# Altium PCB 拼板.PcbDoc (part 2 of 2)
Units mm, origin at the board's own origin, x right, y up, seen from the top; angles counter-clockwise.
Board outline 100 x 100 mm, 2 copper layers (Top Layer, Bottom Layer); 133 components, 40 nets, 713 pads, 79 vias.
Unrouted connection lines stored in the file: 32.
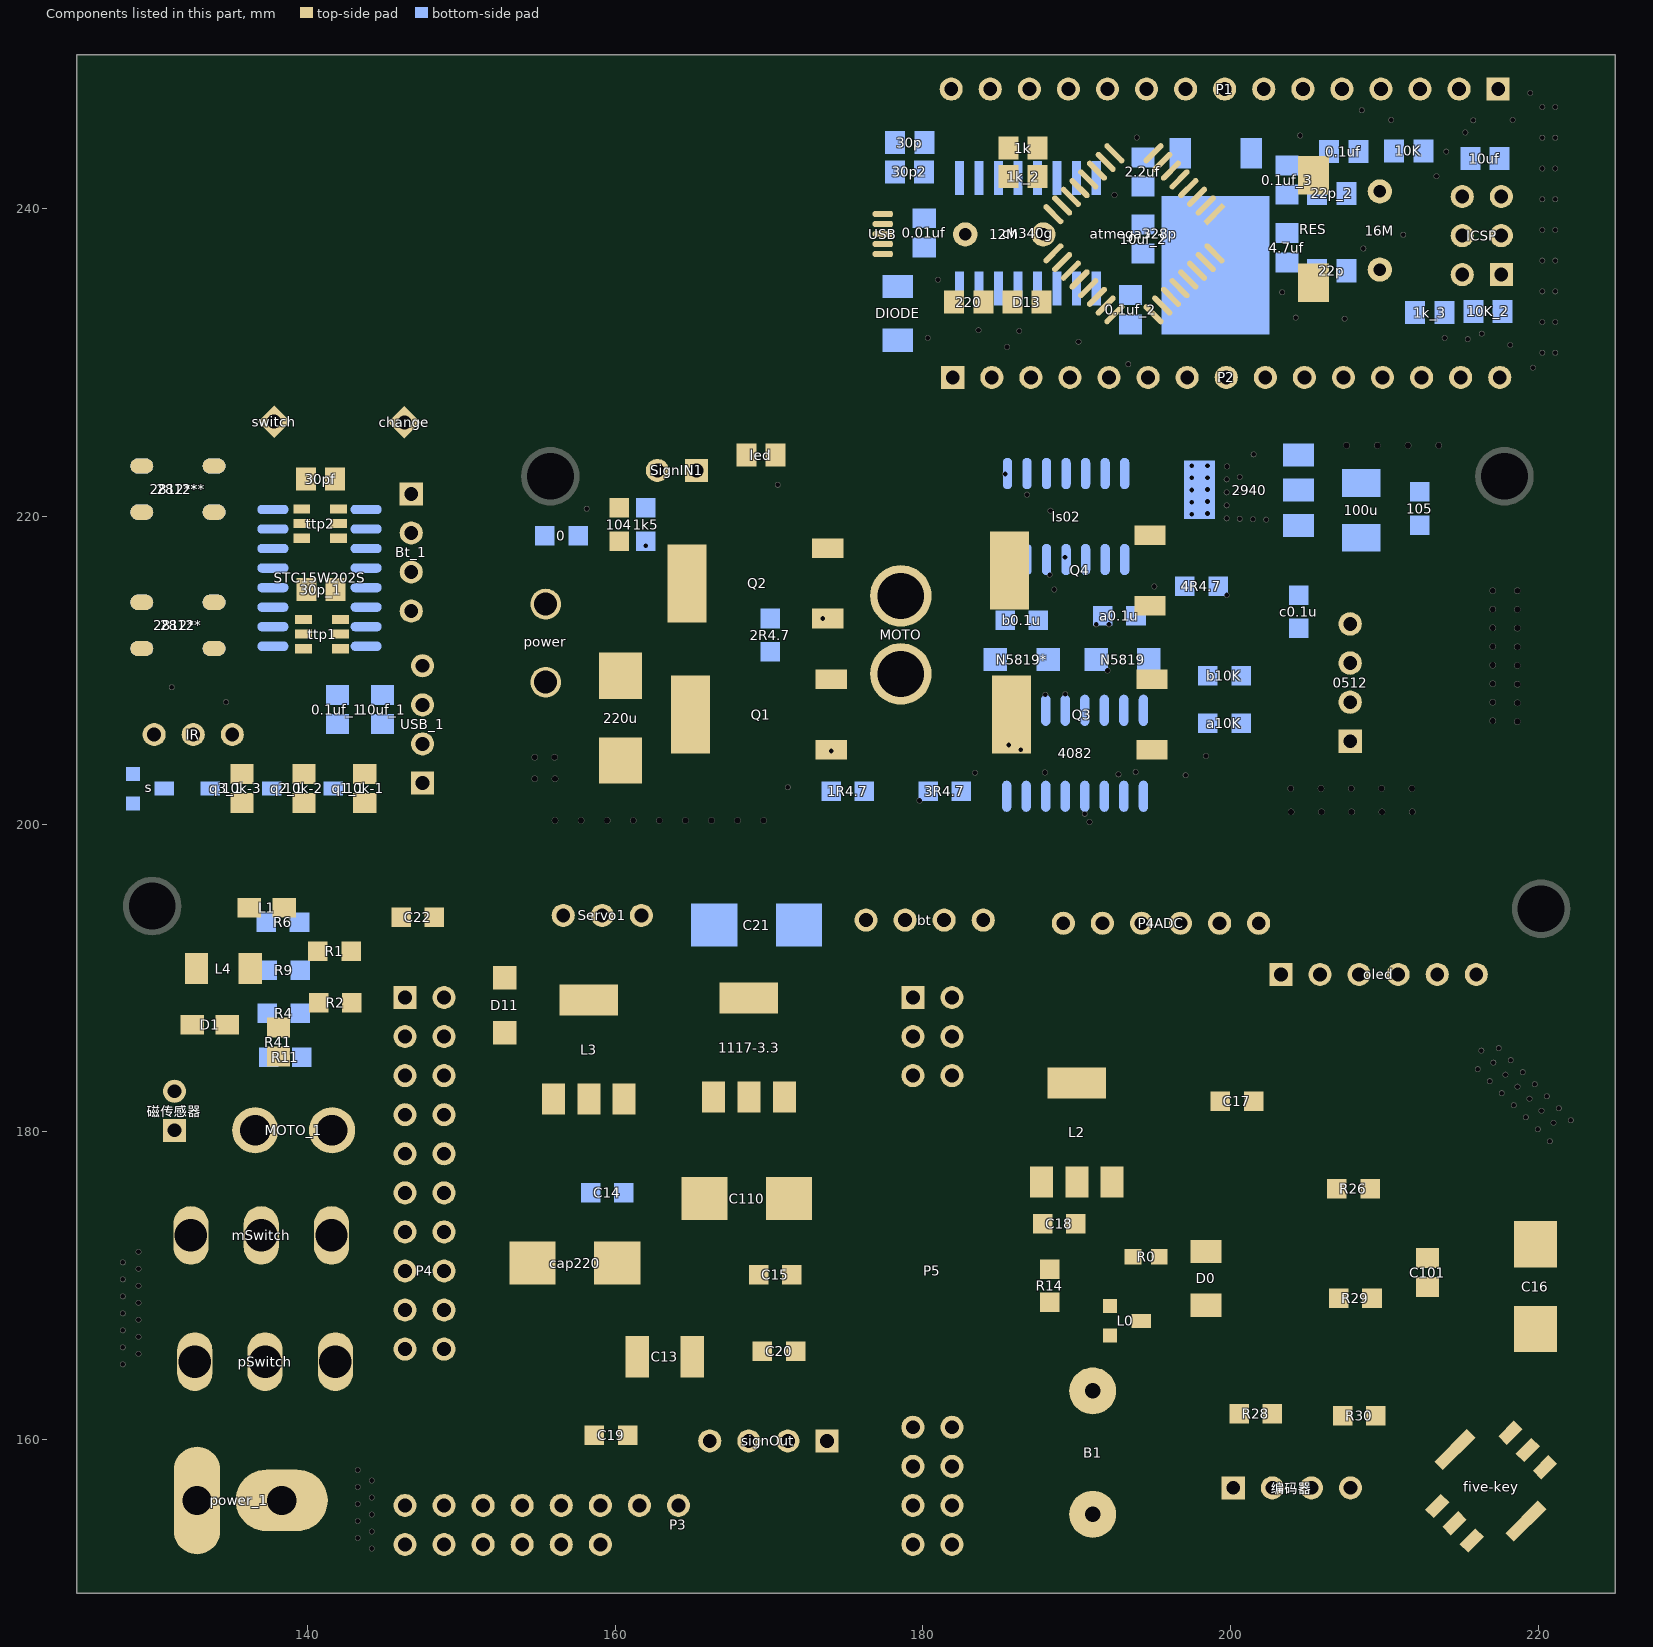
[diagram p2: the components of this part, seen from the top]

## Via types
v1: diameter 0.381, hole 0.305, Top Layer to Bottom Layer, 68 vias
v2: diameter 0.762, hole 0.508, Top Layer to Bottom Layer, 5 vias
v3: diameter 0.762, hole 0.381, Top Layer to Bottom Layer, 3 vias
v4: diameter 0.508, hole 0.305, Top Layer to Bottom Layer, 1 vias
v5: diameter 1.27, hole 0.635, Top Layer to Bottom Layer, 1 vias
v6: diameter 1.27, hole 0.508, Top Layer to Bottom Layer, 1 vias

## Nets (pads, with @x,y where several pads share a name; then routed paths per layer and width w, separated by ;. In a path a pad name is that pad's centre, name@x,y a point inside that pad or via, vN(x,y) a via of type N, cw(c..) or ccw(c..) an arc to the next point about the centre after c; other vN are vias at no path point) (continued)
copper on no net: | length 3506.9
  Top Layer w0.178: v1(135.839,222.402) 131.14,222.402 131.115,222.428 ; 139.745,211.394 140.477,211.394 ; 142.018,219.532 141.133,219.532 140.437,218.836 ; 142.145,212.344 141.427,212.344 140.564,211.48 ; 147.472,202.667 146.167,201.361 143.713,201.361 139.751,201.361 139.751,201.371 135.738,201.371 135.738,201.361 133.665,201.361 132.563,202.463 132.563,205.816 131.114,204.368 129.236,204.368 128.092,205.511 128.092,214.147 128.41,214.465 ; 128.41,214.465 129.217,214.408 128.467,214.408 128.41,214.465 ; 128.41,214.465 127.711,215.163 127.711,222.993 127.991,223.273 129.217,223.273 130.27,223.273 131.115,222.428 ; 131.115,222.428 139.893,222.428 140.437,222.428 140.437,218.836 ; 140.437,218.836 140.183,218.582 139.618,218.582 139.618,217.068 139.918,216.768 139.918,215.24 139.918,214.401 140.564,213.756 140.564,211.48 ; 140.477,211.394 140.564,211.394 140.564,211.48 ; 140.477,211.394 140.564,211.48
  Top Layer w0.254: 129.217,211.408 129.235,211.408 129.235,210.82 131.166,208.89 ; 129.217,220.273 129.464,220.273 129.464,218.516 131.216,216.764 v1(131.216,210.541) ; 134.696,207.924 142.418,207.924 v1(144.628,210.134) ; 135.738,203.261 136.815,203.261 v1(136.83,203.276) ; 137.82,226.162 138.633,226.162 141.793,223.002 141.793,222.428 141.793,220.482 142.018,220.482 ; v1(138.836,210.947) 138.994,210.789 140.868,210.789 141.473,211.394 142.145,211.394 ; 139.751,203.261 v1(139.751,206.223) ; v1(140.208,217.566) 141.224,218.582 142.018,218.582 ; 142.145,213.294 142.145,214.126 141.818,214.452 141.818,215.24 144.399,217.82 144.399,224.221 146.289,226.111 ; 143.713,203.261 143.713,202.87 144.297,202.87 v1(144.831,202.336) ; 168.315,223.395 cw(c168.185,223.088) 168.519,223.088 ; 168.519,223.977 168.519,223.088 ; 168.722,223.395 ccw(c168.852,223.088) 168.519,223.088 ; 170.419,223.977 cw(c170.419,223.835) 170.561,223.835
  Top Layer w0.381: 131.343,180.086 133.375,182.118 133.375,186.055 ; 132.486,186.944 133.375,186.055 ; 132.613,186.499 cw(c132.613,185.733) 133.155,186.275 ; 133.057,186.912 ccw(c134.152,186.831) 133.375,186.055 ; 136.667,190.206 cw(c137.622,189.251) 137.622,190.602 ; 136.667,190.997 ccw(c137.622,191.952) 137.622,190.602 ; 138.1,186.776 141.336,186.776 141.796,187.236 141.796,189.725 140.919,190.602 137.622,190.602 ; 138.481,194.564 140.665,192.38 140.665,191.719 ; v1(139.776,182.601) 143.002,182.601 144.424,181.178 144.424,180.569 145.136,179.857 147.625,179.857 148.869,181.102 ; 142.875,188.392 142.824,188.443 142.824,191.719 143.129,192.024 v1(143.129,192.43) ; 146.329,153.162 146.329,153.34 147.447,154.457 154.635,154.457 155.321,155.143 155.321,155.155 155.295,155.181 155.295,156.59 155.702,156.997 158.598,156.997 159.512,157.912 167.996,157.912 168.681,158.598 168.681,159.893 ; v1(147.345,162.306) 151.917,166.878 v1(151.917,175.006) ; v1(147.93,157.353) 150.266,157.353 ; 148.869,165.862 150.774,167.767 v1(150.774,183.845) ; 148.869,183.642 150.622,185.395 150.622,187.554 151.282,188.214 154.457,188.214 154.838,188.595 154.838,189.738 156.058,190.957 176.047,190.957 178.841,193.751 ; 148.869,184.201 ccw(c148.869,185.552) 149.825,184.597 ccw(c150.78,183.642) 149.429,183.642 ; 150.846,156.774 cw(c149.903,155.831) 151.232,155.717 ; 150.852,155.75 ccw(c148.835,155.922) 150.266,157.353 ; 151.409,155.702 151.409,156.21 150.266,157.353 ; v1(151.409,192.786) 152.679,194.056 156.616,194.056 ; v1(155.804,186.487) 162.89,186.487 163.703,187.3 v1(163.703,190.068) ; 156.221,193.66 ccw(c155.266,192.705) 155.266,194.056 ccw(c155.266,195.407) 156.221,194.452 ; 158.14,220.497 cw(c158.191,220.497) 158.191,220.548 160.274,220.548 165.979,220.548 ccw(c165.979,223.088) 168.519,223.088 ; 159.029,155.143 cw(c159.029,153.792) 159.985,154.747 cw(c160.94,155.702) 159.589,155.702 ; 159.029,155.702 160.35,154.381 164.922,154.381 v1(165.633,153.67) ; 159.96,220.234 ccw(c159.201,219.475) 159.201,220.548 ccw(c159.201,221.621) 159.96,220.863 ; 160.588,220.234 cw(c161.347,219.475) 161.347,220.548 cw(c161.347,221.621) 160.588,220.863 ; v1(163.17,162.001) 169.113,162.001 171.221,159.893 ; 164.998,165.354 164.998,165.862 v1(166.649,167.513) ; 164.998,166.513 ccw(c164.998,168.086) 166.111,166.974 ; 165.57,165.942 cw(c166.756,165.942) 165.917,166.781 ; 168.286,159.497 cw(c167.331,158.542) 168.681,158.542 cw(c170.032,158.542) 169.077,159.497 ; 168.695,182.245 168.695,182.326 172.551,186.182 179.349,186.182 ; 168.695,183.058 ccw(c168.695,184.824) 169.944,183.575 ; 169.254,182.499 cw(c170.186,182.499) 169.527,183.158 ; 170.094,223.552 cw(c168.966,222.425) 170.561,222.425 ; 170.561,222.047 170.561,223.835 ; 170.561,223.111 cw(c171.185,223.111) 170.744,223.552 ; 170.662,159.893 ccw(c169.311,159.893) 170.266,160.848 ccw(c171.221,161.803) 171.221,160.452 ; 171.161,171.002 ccw(c170.402,171.761) 171.475,171.761 ccw(c172.549,171.761) 171.79,171.002 ; 171.221,202.387 191.872,202.387 ccw(c191.872,203.225) 192.71,203.225 ; 171.475,170.688 v1(171.475,172.339) ; v1(174.015,177.165) 176.936,177.165 183.032,171.069 188.239,171.069 ; v1(176.301,174.752) 185.445,165.608 v1(195.478,165.608) ; v1(176.301,176.149) v1(185.826,166.624) ; 178.79,186.182 ccw(c177.439,186.182) 178.394,187.137 ccw(c179.349,188.092) 179.349,186.741 ; 178.954,185.786 ccw(c177.999,184.831) 177.999,186.182 ccw(c177.999,187.533) 178.954,186.578 ; 179.349,155.702 180.619,156.972 183.667,156.972 184.404,157.709 193.269,157.709 195.656,155.321 213.093,155.321 213.436,155.664 ; 179.349,156.261 ccw(c179.349,157.612) 180.305,156.657 ccw(c181.26,155.702) 179.909,155.702 ; 179.349,158.242 180.619,159.512 192.684,159.512 198.018,164.846 216.433,164.846 220.557,160.723 220.557,158.301 220.437,158.182 ; 179.349,158.801 ccw(c179.349,160.152) 180.305,159.197 ccw(c181.26,158.242) 179.909,158.242 ; 179.745,185.786 cw(c180.7,184.831) 180.7,186.182 cw(c180.7,187.533) 179.745,186.578 ; 179.781,201.524 192.354,201.524 ccw(c192.354,204.064) 194.894,204.064 ; 180.111,194.818 180.111,192.786 177.317,189.992 177.317,188.214 179.349,186.182 ; 181.494,185.786 ccw(c180.539,184.831) 180.539,186.182 ccw(c180.539,187.533) 181.494,186.578 ; 181.746,158.385 cw(c182.504,157.627) 182.504,158.699 ; 181.889,153.162 182.257,152.794 212.808,152.794 214.557,154.543 ; 181.889,158.242 182.347,158.699 194.031,158.699 199.161,163.83 214.789,163.83 218.196,160.423 ; 181.889,186.182 179.349,186.182 ; 182.016,153.288 ccw(c183.208,154.48) 183.208,152.794 ; 182.016,158.116 cw(c183.424,156.707) 183.424,158.699 ; 182.285,153.558 ccw(c184.127,155.4) 184.127,152.794 ; 182.285,157.846 cw(c184.344,155.787) 184.344,158.699 ; 183.439,203.327 cw(c183.464,203.327) 183.464,203.352 187.935,203.352 ; 185.344,222.758 189.306,222.758 cw(c189.306,221.767) 190.297,221.767 190.297,216.789 189.662,215.24 189.271,208.689 189.271,208.244 ; v1(186.331,151.819) 214.075,151.819 215.678,153.422 ; 186.766,221.412 cw(c187.249,221.412) 187.249,221.894 188.493,221.894 cw(c188.493,221.132) 189.255,221.132 189.255,217.348 189.243,217.348 ; 187.925,170.755 ccw(c187.166,169.996) 187.166,171.069 ccw(c187.166,172.142) 187.925,171.383 ; 188.239,216.205 188.29,220.37 ; 188.554,168.596 cw(c189.313,167.837) 189.313,168.91 ; 188.554,169.224 ccw(c189.313,169.983) 189.313,168.91 ; 190.525,200.66 190.525,200.431 ccw(c190.83,200.431) 190.83,200.127 190.856,200.101 198.095,200.101 ccw(c198.095,202.641) 200.635,202.641 200.635,210.464 cw(c203.175,210.464) 203.175,213.004 207.772,213.004 ; 191.16,162.509 194.259,162.509 ; 191.542,163.406 ccw(c193.01,164.161) 193.01,162.509 ; 191.88,163.58 ccw(c193.635,164.482) 193.635,162.509 ; 191.976,162.201 cw(c192.72,161.458) 192.72,162.509 ; 191.999,209.982 191.999,206.259 ccw(c194.539,206.259) 192.743,204.463 193.827,203.378 ; 192.151,166.751 193.103,167.703 193.103,168.332 193.663,168.892 193.663,171.856 ; 192.151,168.656 191.897,168.91 189.313,168.91 ; 192.219,163.754 ccw(c194.259,164.803) 194.259,162.509 ; 194.183,167.691 195.204,168.712 198.399,168.712 198.399,166.649 194.259,162.509 ; 194.545,214.583 ccw(c194.26,215.076) 194.81,214.929 ; 194.675,204.439 cw(c194.463,204.064) 194.894,204.064 ; 194.767,214.198 194.767,214.768 cw(c195.721,214.768) 195.047,215.443 ; 194.829,214.998 ccw(c195.193,214.901) 194.998,214.578 ; 194.894,204.826 194.894,204.064 ; 195.113,204.439 ccw(c195.325,204.064) 194.894,204.064 ; v1(198.399,161.671) 200.558,161.671 ; 198.399,204.419 ccw(c198.399,205.765) 199.746,205.765 199.746,214.884 ; 200.244,161.357 ccw(c199.485,160.598) 199.485,161.671 ccw(c199.485,162.744) 200.244,161.985 ; 202.322,157.241 ccw(c201.367,158.196) 202.717,158.196 ccw(c204.068,158.196) 203.113,157.241 ; 202.403,161.357 cw(c201.644,160.598) 202.717,160.598 cw(c203.791,160.598) 203.032,161.357 ; 202.717,156.845 202.717,161.29 ; 202.717,161.671 203.733,162.687 v1(204.622,162.687) ; 202.717,162.116 ccw(c202.717,163.189) 203.476,162.43 ccw(c204.235,161.671) 203.162,161.671 ; 205.257,156.845 205.257,157.124 209.321,161.188 209.321,161.798 ; 205.257,157.404 ccw(c205.257,158.142) 205.779,157.621 ; 205.436,156.845 cw(c206.48,156.845) 205.742,157.583 ; 205.817,156.845 cw(c207.781,156.845) 206.392,158.234 ; 207.035,169.164 207.035,169.291 v1(210.464,172.72) ; 207.035,169.608 ccw(c207.035,170.375) 207.577,169.833 ; 207.368,212.6 ccw(c206.392,211.625) 206.392,213.004 ccw(c206.392,214.384) 207.368,213.409 ; 207.48,169.164 cw(c208.86,169.164) 207.884,170.14 ; 208.51,160.352 ccw(c207.318,161.544) 209.004,161.544 ; 208.753,175.962 cw(c207.994,175.203) 209.067,175.203 cw(c210.141,175.203) 209.382,175.962 ; v1(209.067,173.863) 209.067,176.276 ; 209.123,160.965 cw(c209.448,160.64) 209.448,161.099 ; 209.194,168.719 cw(c209.194,166.113) 211.037,167.956 ; 209.194,169.1 cw(c209.194,167.414) 210.387,168.607 ; 209.194,169.164 209.829,169.164 v1(211.607,167.386) ; 209.448,161.544 v1(211.607,161.544) ; 209.763,161.23 cw(c210.522,160.471) 210.522,161.544 cw(c210.522,162.617) 209.763,161.858 ; 212.428,155.321 ccw(c212.428,156.213) 213.058,155.582 ; 214.118,154.313 cw(c213.612,154.313) 213.97,153.956 cw(c214.327,153.598) 214.327,154.104 ; 215.238,153.193 cw(c214.733,153.193) 215.09,152.835 cw(c215.448,152.477) 215.448,152.983 ; 217.986,160.423 ccw(c217.48,160.423) 217.838,160.781 ccw(c218.196,161.139) 218.196,160.633 ; 220.557,159.184 ccw(c221.44,159.184) 220.815,158.56
  Top Layer w0.508: 130.023,205.816 133.917,209.711 133.917,211.408 ; 139.618,219.532 139.618,220.482 136.881,220.482 136.671,220.273 133.917,220.273 132.998,220.273 132.182,219.456 132.182,212.297 133.071,211.408 133.917,211.408 ; 139.745,213.294 139.745,212.344 137.312,212.344 136.376,211.408 133.917,211.408 ; 141.122,179.476 141.122,179.618 141.59,180.086 ; 147.472,210.287 145.715,210.287 145.237,210.764 144,210.764 143.466,210.23 135.095,210.23 133.917,211.408 ; 167.437,219.126 168.859,220.548 170.917,220.548 174.396,224.028 201.498,224.028 ; 167.564,218.389 167.564,218.516 ; 180.111,194.818 181.915,196.621 203.276,196.621 205.867,194.031 205.867,190.221 ; 181.121,194.224 ccw(c180.833,194.691) 181.381,194.691 ; 181.371,193.796 cw(c182.06,194.223) 181.487,194.797 ; 181.381,193.802 181.381,194.691 ; 181.642,194.224 cw(c181.93,194.691) 181.381,194.691 ; 181.803,194.063 cw(c182.62,194.57) 181.94,195.25 ; 187.96,208.407 187.984,208.687 ; 187.984,208.152 187.984,208.687 ; 188.544,215.24 187.984,208.687 ; 189.656,177.337 ccw(c188.81,178.183) 190.006,178.183 ccw(c191.202,178.183) 190.356,177.337 ; 189.941,174.015 190.006,174.08 ; 190.006,176.733 190.006,178.269 185.648,182.627 185.648,194.514 184.887,195.275 181.966,195.275 181.381,194.691 ; 191.262,212.979 192.1,212.979 194.666,212.979 cw(c194.666,210.566) 197.079,210.566 197.079,203.175 ; 207.789,156.853 cw(c208.717,155.926) 208.717,157.238 ; 207.797,156.845 208.19,157.238 217.252,157.238 219.317,159.303 ; 208.148,156.494 cw(c209.943,154.699) 209.943,157.238
  Top Layer w0.762: 130.974,182.626 ccw(c130.084,182.626) 130.713,183.256 ccw(c131.343,183.886) 131.343,182.995 ; 131.343,182.626 129.633,184.336 129.633,187.647 132.588,190.602 132.771,190.602 132.771,191.089 134.112,192.43 134.112,192.481 136.195,194.564 136.195,195.428 136.83,196.063 v1(137.363,196.063) 147.371,196.063 148.234,195.199 148.234,193.929 150.343,196.037 160.172,196.037 161.696,194.513 161.696,194.056 ; 131.402,189.415 cw(c132.771,188.046) 132.771,189.983 ; 133.14,190.852 cw(c134.605,190.852) 133.569,191.887 ; 134.772,186.944 136.22,188.392 140.716,188.392 ; 146.075,193.929 146.075,192.532 147.091,191.516 151.282,191.516 152.806,189.992 154.838,192.024 158.267,192.024 159.156,192.913 159.156,194.056 161.315,191.897 v2(172.999,191.897) ; 152.425,189.992 ccw(c151.506,189.992) 152.156,190.642 ccw(c152.806,191.293) 152.806,190.373 ccw(c152.806,191.293) 153.457,190.642 ccw(c154.107,189.992) 153.187,189.992 ; 158.895,193.795 cw(c158.266,193.165) 159.156,193.165 cw(c160.047,193.165) 159.417,193.795 ; 159.156,193.687 cw(c159.156,192.796) 159.786,193.426 cw(c160.416,194.056) 159.525,194.056 ; 160.438,182.231 cw(c160.93,180.97) 161.888,181.927 ; 160.581,182.118 161.696,182.118 v2(162.712,181.102) ; 160.715,181.521 cw(c161.393,179.783) v2(162.712,181.102) ; 160.743,195.466 cw(c159.333,194.056) 161.327,194.056 ; 160.842,181.858 cw(c161.471,181.229) 161.471,182.118 cw(c161.471,183.007) 160.842,182.378 ; v3(161.696,187.452) v3(161.696,189.992) ; v2@170.205,180.34 v2@170.078,180.34 ; v4(170.459,175.895) 171.856,175.895 172.11,175.641 172.11,175.514 174.142,173.482 174.142,168.148 171.729,165.735 173.761,163.703 173.761,159.893 176.936,163.068 184.556,163.068 v2(185.318,162.306) ; v4@170.626,175.895 ccw(c170.626,177.476) 171.743,176.358 ; 170.635,181.915 cw(c169.085,181.587) v2(170.205,180.467) ; 171.089,175.895 cw(c171.089,174.97) 171.743,175.624 ; 171.256,182.251 ccw(c172.498,183.493) 172.498,181.737 ; 172.11,174.772 cw(c172.11,172.981) 173.377,174.247 ; 173.5,160.154 ccw(c172.871,160.784) 173.761,160.784 ccw(c174.652,160.784) 174.022,160.154 ; 173.761,160.262 ccw(c173.761,161.153) 174.391,160.523 ccw(c175.021,159.893) 174.13,159.893 ; 183.66,193.541 cw(c183.031,192.911) 183.921,192.911 cw(c184.812,192.911) 184.182,193.541 ; 183.921,193.802 183.921,182.499 183.159,181.737 171.503,181.737 170.995,182.245 170.995,181.257 v2(170.205,180.467) ; 189.746,176.219 cw(c189.117,175.59) 190.006,175.59 cw(c190.895,175.59) 190.266,176.219 ; 189.941,174.015 v1(193.446,174.015) ; 190.006,174.08 190.006,176.733 ; 192.306,177.625 196.647,181.966 199.339,181.966 ; 195.363,171.856 196.76,170.459 201.092,170.459 203.733,173.101 ; 199.288,192.657 199.288,182.016 199.339,181.966 ; v2(205.13,161.544) 207.289,161.544 ; v1(205.765,167.335) 203.733,169.367 203.733,173.101 ; 206.781,176.403 206.908,176.276 203.733,173.101 ; 219.812,172.676 218.926,171.79 213.03,171.79 213.03,176.581 210.515,179.095 200.99,179.095 199.339,180.746 199.339,181.966 ; v2(162.712,181.102) 163.474,180.34 v2@170.078,180.34 ; v2@170.078,180.34 v2(170.205,180.467)
  Top Layer w1.27: 136.59,173.668 137.135,173.124 137.135,171.933 131.801,171.933 131.801,174.727 134.29,174.727 135.255,175.692 135.255,181.381 136.124,182.25 136.53,182.25 138.1,183.82 ; 136.59,175.413 ccw(c138.661,175.413) 137.197,173.948 ; 138.1,184.876 138.1,183.82 ; 152.806,186.436 155.981,183.261 155.981,182.118 154.628,180.765 ; 154.087,171.991 ccw(c152.782,173.297) 154.628,173.297 ccw(c156.475,173.297) 155.169,171.991 ; 154.628,171.45 154.628,180.765 ; 155.158,184.085 cw(c153.445,182.372) 155.867,182.372 ; 155.245,165.569 155.245,163.881 158.648,160.477 158.648,160.274 ; 158.281,182.118 158.281,185.025 v6(158.267,185.039) 163.601,185.039 166.395,182.245 ; 160.128,169.421 ccw(c164.921,169.421) 161.532,166.032 ; 160.222,166.575 ccw(c161.442,167.795) 161.442,166.069 ; 160.807,162.926 cw(c163.282,162.926) 161.532,164.676 ; v5(165.506,176.784) 167.919,174.371 167.919,172.085 169.316,170.688 169.316,165.989 169.57,165.735 cw(c170.184,166.348) 169.316,166.348 ; 166.141,159.893 161.188,159.893 160.807,160.274 160.807,164.719 161.442,165.354 160.128,166.668 160.128,171.45 162.712,171.45 166.354,175.091 ; 187.782,174.015 187.782,176.657 187.706,176.733 185.75,178.689 156.704,178.689 154.628,180.765 ; 198.399,172.212 199.415,172.212 200.939,173.736 v3(200.939,173.914) ; 201.498,181.966 203.327,183.794 203.327,186.919 ; 201.828,193.548 202.436,193.548 203.327,192.657 203.327,186.919 ; 213.03,169.89 213.03,168.961 v1(214.815,167.176) 219.812,167.176 ; v1(214.815,181.324) 214.224,181.915 208.331,181.915 203.327,186.919 ; 138.1,182.651 137.155,181.706 137.155,180.65 138.1,181.595 138.1,182.651 ; 138.1,182.651 138.1,183.82
  Top Layer w2.54: 133.078,156.072 132.701,156.449 132.701,164.067 133.607,164.973 136.903,164.973 ; 141.503,173.355 141.503,164.973 141.503,164.084 145.694,159.893 148.336,159.893 154.628,166.185 154.628,171.45
  Bottom Layer w0.178: 132.563,205.816 131.013,204.267 128.194,204.267 127.914,203.987 127.914,202.641 128.245,202.311 129.007,202.311 129.946,201.371 135.712,201.371 139.7,201.371 ; v1(135.839,222.402) 137.744,220.497 137.744,220.447 ; 141.935,206.492 144.856,206.492 ; 143.688,201.371 146.177,201.371 147.472,202.667
  Bottom Layer w0.254: 128.651,201.346 128.651,200.838 134.366,200.838 134.595,200.609 140.462,200.609 141.656,201.803 141.656,202.311 ; 128.651,203.251 134.493,203.251 134.772,202.971 134.772,202.641 135.103,202.311 137.668,202.311 ; 130.683,202.311 133.68,202.311 ; 131.166,208.89 132.131,207.924 134.696,207.924 ; v1(131.216,210.541) 134.823,210.541 135.839,211.557 137.744,211.557 ; 133.917,211.408 133.917,212.149 134.595,212.827 137.744,212.827 ; 133.917,220.273 133.917,216.526 136.347,214.097 137.744,214.097 ; 135.103,205.816 139.598,210.312 139.598,215.036 142.469,217.907 143.802,217.907 ; 135.712,203.276 v1(136.83,203.276) 138.303,203.276 139.065,202.514 140.284,202.514 140.843,203.073 142.596,203.073 142.596,200.939 142.926,200.609 147.726,200.609 148.768,201.651 148.768,210.871 147.803,211.836 146.279,211.836 145.123,212.992 145.123,216.04 144.526,216.637 143.802,216.637 ; 137.744,216.637 138.659,216.637 139.065,216.23 139.065,210.947 v1(138.836,210.947) ; 137.744,219.177 135.712,219.177 135.255,218.719 135.255,217.856 135.814,217.297 139.939,217.297 v1(140.208,217.566) ; 139.7,203.276 139.751,203.327 v1(139.751,206.223) 140.132,206.604 140.132,214.274 141.224,215.367 143.802,215.367 ; 143.802,211.557 144.628,211.557 v1(144.628,210.134) ; 143.802,214.097 141.554,214.097 140.589,213.131 140.589,205.13 141.351,204.368 142.596,204.368 143.688,203.276 143.891,203.276 v1(144.831,202.336) ; 143.802,219.177 144.755,219.177 145.136,218.796 145.136,217.069 145.555,216.649 145.555,215.024 146.736,213.843 ; 143.802,220.447 144.958,220.447 145.669,219.735 145.669,217.449 146.736,216.383
  Bottom Layer w0.381: 131.343,180.086 133.858,182.601 v1(139.776,182.601) ; v1(143.129,192.43) 144.501,193.802 152.171,193.802 156.921,189.052 174.32,189.052 177.19,186.182 179.349,186.182 177.368,184.201 177.368,174.168 175.539,172.339 v1(171.475,172.339) v1(166.649,167.513) ; 145.77,173.482 cw(c144.419,173.482) 145.374,172.527 cw(c146.329,171.572) 146.329,172.923 ; 146.329,167.843 cw(c146.329,166.492) 147.285,167.447 cw(c148.24,168.402) 146.889,168.402 ; 146.329,168.402 147.599,167.132 151.105,167.132 154.153,164.084 172.745,164.084 186.461,177.8 186.461,188.341 191.668,193.548 ; 146.329,173.482 144.932,172.085 144.932,164.211 146.075,163.068 173.634,163.068 187.731,177.165 187.731,187.071 194.208,193.548 ; 146.329,176.022 147.599,177.292 150.139,177.292 150.901,178.054 150.901,179.705 159.537,188.341 164.109,188.341 v1(176.301,176.149) ; 146.329,176.581 ccw(c146.329,177.932) 147.285,176.977 ccw(c148.24,176.022) 146.889,176.022 ; 146.329,183.083 cw(c146.329,181.732) 147.285,182.687 cw(c148.24,183.642) 146.889,183.642 ; 146.329,183.642 147.599,182.372 151.663,182.372 v1@155.727,186.436 ; v1(147.345,162.306) 147.345,157.937 v1(147.93,157.353) ; 148.869,170.383 cw(c148.869,169.032) 149.825,169.987 cw(c150.78,170.942) 149.429,170.942 ; 148.869,170.942 154.838,164.973 171.983,164.973 185.064,178.054 185.064,189.484 189.128,193.548 ; 148.869,172.923 cw(c148.869,171.572) 149.825,172.527 cw(c150.78,173.482) 149.429,173.482 ; 148.869,173.482 155.981,166.37 166.776,166.37 171.323,170.917 ; 148.869,175.463 cw(c148.869,174.112) 149.825,175.067 cw(c150.78,176.022) 149.429,176.022 ; 148.869,176.022 156.997,167.894 165.506,167.894 172.364,174.752 v1(176.301,174.752) ; v1(150.774,183.845) 150.774,192.151 v1(151.409,192.786) ; 150.85,153.162 ccw(c149.499,153.162) 150.454,154.117 ccw(c151.409,155.072) 151.409,153.721 ; 151.409,153.162 150.139,154.432 150.139,159.461 152.679,162.001 v1(163.17,162.001) ; v1(151.917,175.006) 155.346,171.577 167.919,171.577 173.507,177.165 v1(174.015,177.165) ; 156.489,155.143 cw(c156.489,153.792) 157.445,154.747 cw(c158.4,155.702) 157.049,155.702 ; 156.489,155.702 157.759,154.432 159.918,154.432 161.569,152.781 173.017,152.781 177.825,157.589 177.825,161.62 193.319,177.114 205.232,177.114 216.027,187.909 216.027,190.17 ; 157.267,219.059 ccw(c156.508,219.818) 157.582,219.818 ccw(c158.655,219.818) 157.896,219.059 ; 157.582,218.745 157.582,219.977 cw(c158.128,219.977) 158.128,220.523 ccw(c158.128,222.085) 159.69,222.085 159.69,223.85 cw(c161.239,223.85) 161.239,225.4 190.348,225.4 cw(c190.348,223.901) 191.846,223.901 191.846,222.783 193.116,222.783 cw(c195.123,222.783) 195.123,224.79 198.236,224.79 cw(c198.236,222.25) 200.032,224.046 201.632,222.447 ccw(c203.428,224.243) 203.428,221.703 204.419,221.703 ; 161.569,155.143 cw(c161.569,153.792) 162.525,154.747 cw(c163.48,155.702) 162.129,155.702 ; 161.569,155.702 162.764,154.507 172.745,154.507 176.327,158.09 176.327,162.712 192.786,179.172 202.209,179.172 210.947,187.909 210.947,190.17 ; 161.976,220.548 169.062,220.548 ccw(c169.062,222.047) 170.561,222.047 ; 162.29,220.234 cw(c163.049,219.475) 163.049,220.548 cw(c163.049,221.621) 162.29,220.863 ; 162.67,223.542 ccw(c162.63,223.873) 162.952,223.787 ccw(c163.274,223.7) 163.074,223.434 ; 162.738,222.987 cw(c164.338,222.987) 164.338,224.587 185.42,224.587 cw(c185.42,223.241) 186.766,223.241 186.766,222.783 ; v1(163.703,190.068) 172.618,190.068 176.301,193.751 ; 164.109,155.702 164.287,155.88 172.796,155.88 175.616,158.699 175.616,163.817 192.087,180.289 200.787,180.289 208.407,187.909 208.407,190.17 ; 164.236,155.576 cw(c164.97,154.842) 164.97,155.88 ; 164.505,155.306 cw(c165.889,153.922) 165.889,155.88 ; 164.505,156.098 ccw(c165.031,156.624) 165.031,155.88 ; 165.278,222.987 cw(c165.506,222.987) 165.506,223.215 180.645,223.215 cw(c180.645,221.971) 181.889,221.971 ccw(c183.49,221.971) 183.49,220.37 188.29,220.37 ccw(c188.29,222.656) 190.576,222.656 ; 165.404,222.86 cw(c166.261,222.004) 166.261,223.215 ; v1(165.633,153.67) 173.008,153.67 177.089,157.75 177.089,161.976 192.684,177.571 192.684,177.606 193.463,178.384 203.962,178.384 213.487,187.909 213.487,190.17 ; 165.673,222.591 cw(c167.18,221.084) 167.18,223.215 ; 165.673,223.382 ccw(c166.077,223.785) 166.077,223.215 ; 166.776,194.056 167.005,193.827 ; 169.764,210.887 cw(c169.005,210.128) 170.078,210.128 cw(c171.152,210.128) 170.393,210.887 ; 170.078,211.201 170.078,203.53 ccw(c171.221,203.53) 171.221,202.387 ; 170.078,213.36 173.482,213.36 ; 170.393,213.046 cw(c171.152,212.287) 171.152,213.36 cw(c171.152,214.433) 170.393,213.674 ; 171.323,170.942 175.793,170.942 183.794,178.943 183.794,191.643 187.503,195.351 194.945,195.351 196.748,193.548 ; 173.726,202.448 ccw(c172.968,203.206) 174.041,203.206 ccw(c175.114,203.206) 174.355,202.448 ; 174.041,202.133 174.041,204.749 ; 176.037,201.719 cw(c175.799,201.114) 176.428,201.282 cw(c177.056,201.451) 176.547,201.856 ; 176.2,202.133 ccw(c177.902,202.133) 177.902,200.431 184.074,200.431 ccw(c184.074,201.803) 185.445,201.803 ; 178.79,186.182 cw(c177.439,186.182) 178.394,185.227 cw(c179.349,184.272) 179.349,185.623 ; 178.954,185.786 ccw(c177.999,184.831) 177.999,186.182 ccw(c177.999,187.533) 178.954,186.578 ; 181.381,189.23 181.889,188.722 ; 181.889,155.702 182.448,155.702 v1(186.331,151.819) ; 182.499,202.133 182.499,202.438 cw(c183.388,202.438) 183.388,203.327 ; v1(185.826,166.624) 193.446,166.624 v1(198.399,161.671) ; 186.59,223.897 ccw(c187.074,224.027) 186.823,223.594 ; 186.639,222.91 ccw(c186.766,222.91) 186.766,222.783 ; 186.715,207.391 186.715,208.218 cw(c189.255,208.218) 187.459,210.015 188.138,210.693 188.892,209.938 ccw(c190.689,211.734) 190.689,209.194 192.342,209.194 cw(c192.342,208.674) 192.71,209.042 cw(c191.851,208.184) 193.065,208.184 193.065,208.015 cw(c195.605,208.015) 193.809,209.811 ; 186.766,221.412 186.766,222.783 ; 186.777,208.447 ccw(c187.142,208.349) 186.814,208.159 ; 186.937,209.134 cw(c188.822,208.016) 188.279,210.139 ; 187.406,209.925 cw(c188.5,209.277) 188.185,210.508 ; 187.522,210.121 ccw(c187.034,210.411) 187.584,210.551 ; 187.935,202.913 ccw(c188.384,202.913) 188.066,202.595 ; 187.935,203.352 187.935,201.854 ccw(c187.985,201.854) 187.985,201.803 ; 188.036,217.195 188.036,216.279 188.29,216.025 188.493,216.228 188.493,216.281 188.316,216.459 ; 188.323,210.737 ccw(c189.591,211.035) 188.905,209.928 ; 188.569,193.548 cw(c187.218,193.548) 188.173,192.593 cw(c189.128,191.638) 189.128,192.989 ; 188.694,210.824 ccw(c190.857,211.333) 189.687,209.443 ; 189.255,202.082 189.255,203.124 189.578,203.447 cw(c191.374,201.651) 191.374,204.191 197.848,204.191 ccw(c197.848,204.971) 198.399,204.419 ; 189.255,207.391 189.255,208.432 189.255,208.661 ; 190.264,221.492 cw(c191.029,221.287) 190.633,221.973 ; 190.5,207.33 cw(c190.587,207.33) 190.525,207.391 190.525,205.628 ccw(c191.313,205.628) 191.313,204.841 195.762,204.841 ccw(c195.762,207.381) 197.559,205.585 198.526,206.553 ; 190.525,201.803 190.525,200.431 ccw(c190.83,200.431) 190.83,200.127 ; 190.576,222.021 190.576,222.656 ; 190.576,222.783 190.576,222.656 ; 191.109,193.548 cw(c189.758,193.548) 190.713,192.593 cw(c191.668,191.638) 191.668,192.989 ; 191.262,211.264 ccw(c191.262,212.644) 192.238,211.669 ccw(c193.213,210.693) 191.833,210.693 ; 191.999,210.261 192.176,210.083 192.176,209.855 192.1,209.855 191.262,210.693 193.673,213.104 ccw(c193.24,213.538) 193.853,213.538 ; 192.71,203.225 cw(c192.71,202.87) 193.065,202.87 193.065,201.803 ; 192.914,212.345 ccw(c191.722,213.538) 193.408,213.538 ; 192.966,208.159 ccw(c192.665,208.333) 193.001,208.423 ; 193.008,208.201 ccw(c192.832,208.507) 193.173,208.415 ; 193.528,212.959 cw(c193.853,212.633) 193.853,213.093 ; 193.649,193.548 cw(c192.298,193.548) 193.253,192.593 cw(c194.208,191.638) 194.208,192.989 ; 193.827,203.378 cw(c193.827,202.87) 194.335,202.87 194.335,201.803 ; 194.121,210.651 cw(c193.05,210.571) 193.809,209.811 ; 194.649,210.123 ccw(c194.569,209.052) 193.809,209.811 ; 195.047,215.443 197.028,215.443 ; 195.095,210.289 cw(c196.071,209.313) 196.071,210.693 cw(c196.071,212.073) 195.095,211.097 ; v1(195.478,165.608) 198.399,165.608 207.924,175.133 209.575,175.133 210.464,174.244 v1(210.464,172.72) ; 196.189,193.548 ccw(c194.838,193.548) 195.793,194.503 ccw(c196.748,195.458) 196.748,194.107 ; 196.713,215.128 ccw(c195.955,214.37) 195.955,215.443 ccw(c195.955,216.516) 196.713,215.757 ; 198.082,206.553 cw(c197.009,206.553) 197.768,205.794 cw(c198.526,205.035) 198.526,206.108 ; 202.634,221.888 ccw(c202.957,223.274) 203.825,222.146 ; 203.207,221.754 cw(c203.031,220.998) 203.691,221.408 ; 204.105,214.57 ccw(c203.346,213.811) 203.346,214.884 ccw(c203.346,215.957) 204.105,215.198 ; v1(204.622,162.687) 204.622,169.418 v1(209.067,173.863) ; 204.734,214.57 cw(c205.492,213.811) 205.492,214.884 cw(c205.492,215.957) 204.734,215.198 ; 207.374,213.415 ccw(c206.996,213.804) 207.52,213.944 ccw(c208.044,214.085) 207.912,213.559 ; 207.645,205.384 207.772,205.384 ; 207.645,210.464 207.772,210.464 ; 207.772,213.004 ccw(c205.892,213.004) 205.892,214.884 204.419,214.884 201.941,214.884 ccw(c201.941,214.184) 201.446,214.679 198.204,211.437 cw(c196.407,213.233) 196.407,210.693 194.691,210.693 193.809,209.811 ; 208.037,221.703 208.509,222.174 ; v1(211.607,161.544) v1(211.607,167.386) ; 211.709,222.174 212.293,221.59 ; 199.187,215.443 ccw(c199.136,215.443) 199.136,215.494 199.111,215.494 199.187,215.443 ; 199.187,215.443 199.695,214.935 199.695,214.808 199.72,214.782 199.898,214.782 199.949,214.833 199.949,214.935 199.771,215.113 199.187,215.443
  Bottom Layer w0.508: 130.023,205.816 130.023,210.603 129.217,211.408 130.023,211.408 130.658,212.043 130.658,217.729 129.464,218.923 129.464,220.273 129.217,220.273 128.245,220.273 127.787,220.73 127.787,223.495 128.499,224.206 143.993,224.206 146.736,221.463 141.199,221.463 139.675,219.939 139.675,218.415 139.167,217.907 137.744,217.907 ; 141.935,208.392 144.856,208.392 145.578,208.392 147.472,210.287 ; 161.346,193.705 cw(c160.499,192.859) 161.696,192.859 cw(c162.894,192.859) 162.047,193.705 ; 178.562,209.753 181.298,212.489 ; 178.562,214.401 190.83,214.401 cw(c190.83,213.538) 191.694,213.538 ; 178.639,210.989 ccw(c178.79,213.404) 180.502,211.693 ccw(c182.213,209.982) 179.798,209.83 ; 178.671,211.496 ccw(c178.884,214.903) 181.298,212.489 ; 179.078,215.349 ccw(c181.367,217.638) 181.367,214.401 ; 179.437,215.709 ccw(c182.593,218.864) 182.593,214.401 ; 179.797,213.599 cw(c181.735,211.66) 181.735,214.401 ; 179.797,216.068 ccw(c183.82,220.091) 183.82,214.401 ; 180.305,209.862 cw(c183.711,210.075) 181.298,212.489 ; 184.35,210.334 cw(c183.482,209.467) 184.709,209.467 cw(c185.935,209.467) 185.068,210.334 ; 184.709,211.201 ccw(c184.709,213.041) 186.01,211.74 ; 185.074,212.964 ccw(c184.424,212.313) 184.424,213.233 ccw(c184.424,214.153) 185.074,213.502 ; 185.217,210.693 cw(c185.83,210.693) 185.396,211.127 ; 185.344,213.233 183.094,213.233 ccw(c183.094,210.693) 181.298,212.489 ; 185.445,207.391 cw(c185.445,208.128) 184.709,208.128 184.709,210.693 ccw(c184.709,211.306) 185.142,210.872 187.503,213.233 ; 185.496,217.195 185.496,217.881 cw(c186.614,217.881) 186.614,218.999 203.99,218.999 ; 185.572,205.13 cw(c185.572,203.987) 186.715,203.987 186.715,201.803 ; 186.741,216.44 cw(c186.444,215.926) 187.018,216.08 ; 186.766,217.195 186.766,217.018 ccw(c188.544,217.018) 188.544,215.24 ; 187.122,213.233 cw(c186.202,213.233) 186.852,212.583 cw(c187.503,211.932) 187.503,212.852 ; 187.96,208.61 187.985,208.585 187.985,207.391 ; 188.036,222.783 189.306,222.783 ; 191.795,201.803 191.795,200.381 ccw(c192.049,200.381) 192.049,200.127 195.783,200.127 ccw(c195.783,201.422) 197.079,201.422 197.079,203.175 ; 191.795,207.391 191.795,206.479 ccw(c192.735,206.479) 192.735,205.539 192.735,205.553 195.52,205.553 ccw(c195.52,206.248) 196.215,206.248 196.215,206.705 cw(c197.206,206.705) 197.206,207.696 199.542,207.696 cw(c199.542,206.553) 200.685,206.553 200.685,209.626 200.685,210.185 cw(c203.225,210.185) 203.225,212.725 204.419,212.725 ccw(c206.68,212.725) 206.68,210.464 ; 194.335,207.391 cw(c196.215,207.391) 196.215,209.271 198.171,209.271 ccw(c198.171,209.626) 198.526,209.626 ; 196.748,209.271 ccw(c196.748,211.405) 198.257,209.896 ; 197.975,209.271 ccw(c197.975,210.178) 198.616,209.536 ; 200.416,206.822 ccw(c199.766,207.473) 200.685,207.473 ccw(c201.605,207.473) 200.955,206.822 ; 200.416,209.357 cw(c199.766,208.706) 200.685,208.706 cw(c201.605,208.706) 200.955,209.357 ; 200.874,210.889 ccw(c202.24,210.524) 201.015,209.817 ; 201.498,224.028 204.394,224.028 cw(c204.394,224.003) 204.419,224.003 ; 201.995,218.999 ccw(c201.995,221.573) 203.815,219.753 ; 202.908,224.028 cw(c202.908,222.746) 203.815,223.652 ; 203.031,224.028 ccw(c203.031,225.137) 203.815,224.353 ; 203.221,218.999 ccw(c203.221,220.347) 204.174,219.394 ; 204.092,219.075 ccw(c204.092,219.403) 204.419,219.403 ccw(c205.204,219.403) 205.204,218.618 208.509,218.618 211.48,218.618 ccw(c211.48,219.431) 212.293,219.431 212.293,210.464 cw(c209.753,210.464) 209.753,207.924 207.772,207.924 ; 204.15,212.456 ccw(c203.499,211.805) 203.499,212.725 ccw(c203.499,213.645) 204.15,212.994 ; 204.229,212.395 cw(c203.769,211.598) 204.657,211.837 cw(c205.546,212.075) 204.749,212.535 ; 204.305,219.034 ccw(c205.311,220.04) 205.311,218.618 ; 204.419,221.703 208.037,221.703 ; 204.664,219.394 ccw(c206.537,221.267) 206.537,218.618 ; 205.023,219.753 ccw(c207.764,222.493) 207.764,218.618 ; 205.023,221.352 cw(c205.869,220.507) 205.869,221.703 cw(c205.869,222.898) 205.023,222.053 ; 205.461,221.703 ccw(c205.461,224.871) 207.702,222.631 ; 206.502,205.691 ccw(c206.849,206.984) 207.518,205.824 ; 206.502,210.158 cw(c206.849,208.865) 207.518,210.024 ; 206.656,205.65 cw(c206.367,204.573) 207.332,205.13 ; 206.656,210.199 ccw(c206.367,211.275) 207.332,210.718 ; 206.688,221.703 ccw(c206.688,223.645) 208.061,222.271 ; 207.383,210.137 ccw(c206.68,209.544) 206.68,210.464 ; 207.383,210.792 cw(c206.68,211.384) 206.68,210.464 ; 207.645,205.384 cw(c207.645,207.924) 205.105,207.924 cw(c207.645,207.924) 207.645,210.464 206.68,210.464 ; 207.702,218.161 ccw(c206.599,217.058) 206.599,218.618 ccw(c206.599,220.177) 207.702,219.075 ; 207.772,205.384 211.887,205.384 ccw(c211.887,207.924) 214.427,207.924 214.427,219.456 ccw(c212.293,219.456) 212.293,221.59 ; 208.131,205.025 cw(c208.998,204.158) 208.998,205.384 cw(c208.998,206.611) 208.131,205.744 ; 208.131,207.565 cw(c208.998,206.698) 208.998,207.924 cw(c208.998,209.151) 208.131,208.284 ; 208.509,222.174 211.709,222.174 ; 209.185,219.175 ccw(c210.214,220.934) 210.73,218.963 ; 209.315,218.161 cw(c210.418,217.058) 210.418,218.618 cw(c210.418,220.177) 209.315,219.075 ; 209.315,221.717 cw(c210.418,220.614) 210.418,222.174 cw(c210.418,223.733) 209.315,222.631 ; 209.411,218.618 ccw(c209.411,222.313) 212.024,219.7 ; 209.416,218.292 cw(c210.35,217.745) 210.076,218.792 ; 209.963,222.174 cw(c209.963,219.259) 212.024,221.32 ; 210.638,218.618 ccw(c210.638,221.086) 212.383,219.341 ; 211.189,222.174 cw(c211.189,220.486) 212.383,221.679 ; 212.024,219.161 cw(c211.373,218.511) 212.293,218.511 cw(c213.213,218.511) 212.563,219.161 ; 212.484,221.26 cw(c212.944,220.463) 213.182,221.352 cw(c213.42,222.24) 212.623,221.78
  Bottom Layer w0.762: v1(137.363,196.063) 137.363,190.5 137.465,190.398 137.465,184.836 ; 157.887,176.054 ccw(c159.015,175.983) 158.216,175.184 ; 158.394,176.022 158.394,175.006 159.41,173.99 ; 158.648,176.006 ccw(c161.263,175.843) 159.41,173.99 ; 159.283,185.039 v3(161.696,187.452) ; v3(161.696,189.992) 161.696,194.056 166.776,194.056 ; 161.957,193.795 cw(c162.587,193.165) 162.587,194.056 cw(c162.587,194.947) 161.957,194.317 ; v2(162.712,181.102) 162.712,174.879 161.823,173.99 159.41,173.99 ; 166.378,194.056 cw(c166.378,192.976) 167.142,193.74 ; 166.605,194.056 ccw(c166.605,194.815) 167.142,194.278 ; 167.005,193.827 169.24,196.063 179.502,196.063 181.381,194.183 181.381,189.23 ; v2(170.205,180.467) 170.459,180.213 v4(170.459,175.895) ; 170.716,193.948 cw(c170.794,193.604) 171.043,193.853 ; 170.884,193.205 cw(c171.153,192.007) 172.021,192.875 ; 171.051,192.461 cw(c171.513,190.411) v2(172.999,191.897) 171.094,193.802 ; 179.349,188.722 181.889,188.722 ; 179.61,188.461 cw(c180.24,187.831) 180.24,188.722 cw(c180.24,189.613) 179.61,188.983 ; 180.482,195.082 cw(c179.202,193.802) 181.012,193.802 ; 181.12,193.541 cw(c180.491,192.911) 181.381,192.911 cw(c182.272,192.911) 181.642,193.541 ; 181.381,190.839 ccw(c184.007,190.839) 182.15,188.983 ; 181.628,188.461 ccw(c180.999,187.831) 180.999,188.722 ccw(c180.999,189.613) 181.628,188.983 ; v2(185.318,162.306) 187.096,160.528 196.494,160.528 200.177,156.845 200.177,157.277 201.828,158.928 203.657,158.928 205.13,160.401 v2(205.13,161.544) 205.765,162.179 v1(205.765,167.335) ; v1(193.446,174.015) 204.495,174.015 207.899,177.419 213.03,177.419 214.815,175.634 ; 199.808,156.845 ccw(c198.918,156.845) 199.547,157.475 ccw(c200.177,158.105) 200.177,157.214 ; 200.546,156.845 cw(c202.48,156.845) 201.113,158.212 ; v2@170.34,180.602 cw(c170.052,180.314) 170.459,180.314 ccw(c170.052,180.314) v2@170.34,180.602
  Bottom Layer w0.889: 139.471,193.599 140.846,192.224 cw(c139.05,190.428) 141.559,190.828 cw(c139.05,190.428) 141.59,190.428 ; 139.522,187.706 140.846,186.382 cw(c139.05,184.586) 141.59,184.586 ; 139.522,190.5 140.846,189.176 cw(c139.05,187.38) 141.59,187.38 ; 139.624,184.836 140.846,183.613 cw(c139.05,181.817) 141.59,181.817 ; 191.033,155.118 ccw(c192.761,155.118) 192.761,153.391 204.521,153.391 207.975,156.845 209.779,156.845 ; 141.59,181.817 141.59,184.586 ; 141.59,181.817 141.59,180.086 141.59,184.586
  Bottom Layer w1.016: 139.522,184.937 139.624,184.836
  Bottom Layer w1.27: 130.021,181.963 cw(c131.343,180.641) 131.343,182.511 ; 131.343,182.626 130.684,182.626 129.349,181.292 129.349,162.649 130.708,161.29 134.772,161.29 ; 136.003,156.417 ccw(c131.305,157.822) 134.773,161.29 ; 136.278,159.785 cw(c133.622,157.129) 137.22,156.053 ; 137.782,158.28 cw(c135.939,156.436) 138.437,155.689 ; 138.455,155.702 138.455,157.607 134.772,161.29 ; 141.59,180.086 141.59,190.957 ; 160.553,176.022 160.553,177.546 158.267,179.832 v6(158.267,185.039) 159.283,185.039 162.712,185.039 165.506,182.245 v5(165.506,176.784) ; 207.797,156.845 209.626,156.845 ; 209.779,156.845 212.928,156.845 214.815,158.731 v1(214.815,167.176) 214.815,175.634 v1(214.815,181.324)

## Polygon pours and split planes (outlines as drawn)
no net on Top Layer "Top Layer-No Net" (solid, pour order 4): 149.76,199.72 125.882,199.72 125.882,199.967 125.882,228.967 149.805,228.967 149.805,228.922
GND on Top Layer "Top Layer-No Net" (solid, remove dead copper, pour order 19): 222.098,226.924 222.098,249.707 173.203,249.707 173.307,249.707 173.307,227.03
no net on Top Layer "Top Layer-No Net" (solid, remove dead copper, pour order 21): 151.644,226.467 151.644,199.086 151.822,199.086 152.356,198.553 152.457,198.654 220.986,198.654 220.986,225.68 219.97,226.696
no net on Top Layer "Top Layer-No Net" (solid, remove dead copper, pour order 28): 172.034,208.686 172.034,207.467 ccw(c173.101,207.467) 173.101,206.4 182.098,206.4 cw(c182.098,205.905) 182.593,205.905 182.593,206.197 ccw(c180.053,206.197) 180.053,208.737 172.466,208.737
no net on Top Layer "Top Layer-No Net" (solid, remove dead copper, pour order 27): 172.105,210.985 172.105,207.987 ccw(c172.917,207.987) 172.917,207.175 180.69,207.175 cw(c180.69,205.117) 182.747,205.117 ccw(c183.281,205.117) 183.281,204.584 186.583,204.584 ccw(c186.583,204.99) 186.989,204.99 186.989,210.197 186.989,211.34 ccw(c186.786,211.34) 186.786,211.543 172.663,211.543 ccw(c172.663,210.908) 172.028,210.908
no net on Top Layer "Top Layer-No Net" (solid, remove dead copper, pour order 26): 171.907,219.735 171.907,216.662 ccw(c173.279,216.662) 173.279,215.29 174.625,215.29 cw(c174.625,213.944) 175.971,213.944 ccw(c177.038,213.944) 177.038,212.877 187.147,212.877 ccw(c187.147,213.182) 187.452,213.182 187.452,219.177 ccw(c186.969,219.177) 186.969,219.659 175.946,219.659 172.568,219.659 ccw(c172.568,218.973) 171.882,218.973
no net on Top Layer "Top Layer-No Net" (solid, remove dead copper, pour order 25): 167.843,219.278 167.843,205.334 cw(c165.303,205.334) 165.303,202.794 164.262,202.794 cw(c164.262,204.521) 162.535,204.521 162.535,206.553 ccw(c161.519,206.553) 161.519,207.569 158.394,207.569 cw(c158.394,208.331) 157.632,208.331 157.632,211.455 ccw(c157.175,211.455) 157.175,211.912 153.721,211.912 cw(c153.721,212.877) 152.756,212.877 152.756,218.592 cw(c153.441,218.592) 153.441,219.278 165.379,219.278 167.843,219.278
no net on Top Layer "Top Layer-No Net" (solid, pour order 24): 129.311,197.663 220.167,197.663 220.193,197.637 220.599,197.231 222.174,197.231 222.174,197.129 223.596,195.707 223.596,152.984 223.596,152.806 221.513,150.724 221.158,151.079 129.057,151.079 128.346,151.079 126.949,152.476 126.873,152.552 126.873,196.037
no net on Bottom Layer "Top Layer-No Net" (solid, pour order 6): 149.636,199.568 149.636,199.685 125.952,199.685 125.908,199.685 125.908,229.114 125.908,229.184 149.835,229.184
GND on Bottom Layer "Top Layer-No Net" (solid, remove dead copper, pour order 20): 173.469,226.902 173.469,249.758 173.393,249.758 222.314,249.758 222.314,226.822 222.263,226.822
no net on Bottom Layer "Top Layer-No Net" (solid, remove dead copper, pour order 22): 151.841,226.593 220.675,226.593 220.675,199.822 219.507,198.653 219.38,198.78 151.409,198.78
no net on Bottom Layer "Top Layer-No Net" (solid, pour order 23): 129.54,197.739 220.599,197.739 221.158,197.739 223.876,195.021 223.596,194.742 223.596,152.527 223.596,152.425 222.021,150.851 221.945,150.774 128.397,150.774 128.397,150.927 126.543,152.781 127,153.238 127,196.418
no net on Top Solder "Top Layer-No Net" (solid): 152.425,219.329 ccw(c152.425,219.278) 152.375,219.278 152.375,211.785 ccw(c152.73,211.785) 152.73,211.43 156.972,211.43 cw(c156.972,211.176) 157.226,211.176 157.226,207.924 ccw(c158.191,207.924) 158.191,206.959 162.306,206.959 cw(c162.306,206.756) 162.509,206.756 162.509,203.302 ccw(c163.17,203.302) 163.17,202.641 166.345,202.641 ccw(c166.345,204.699) 168.402,204.699 168.402,219.608
no net on Top Solder "Top Layer-No Net" (solid): 171.45,219.888 ccw(c171.45,219.812) 171.374,219.812 171.374,215.468 ccw(c172.06,215.468) 172.06,214.782 175.26,214.782 cw(c175.26,214.249) 175.793,214.249 175.793,213.157 ccw(c176.327,213.157) 176.327,212.623 177.292,212.623 186.741,212.623 ccw(c186.741,213.258) 187.376,213.258 187.376,218.897 ccw(c186.487,218.897) 186.487,219.786
no net on Top Solder "Top Layer-No Net" (solid): 171.653,211.887 186.563,211.887 cw(c186.563,211.353) 187.096,211.353 187.096,204.318 cw(c186.995,204.318) 186.995,204.216 183.667,204.216 cw(c183.667,206.07) 181.813,206.07 cw(c181.788,206.07) 181.788,206.045 171.552,206.045
no net on Top Solder "Top Layer-No Net" (solid): 134.671,181.61 ccw(c135.484,181.61) 135.484,180.797 138.176,180.797 cw(c138.176,180.746) 138.227,180.746 138.227,172.39 cw(c137.135,172.39) 137.135,171.298 131.674,171.298 cw(c131.674,171.831) 131.14,171.831 131.14,174.879 cw(c131.623,174.879) 131.623,175.362 133.96,175.362 134.595,175.92
no net on Top Solder "Top Layer-No Net" (solid): 140.284,173.711 ccw(c140.284,173.685) 140.259,173.685 140.259,165.024 ccw(c140.995,165.024) 140.995,164.287 142.951,164.287 cw(c142.951,164.44) 142.799,164.44 142.799,173.863
no net on Top Solder "Top Layer-No Net" (solid): 132.936,167.053 133.03,167.053 cw(c133.03,166.265) 133.817,166.265 ccw(c133.839,166.265) 133.839,166.243 138.532,166.243 cw(c138.532,166.218) 138.557,166.218 138.557,163.576 cw(c138.405,163.576) 138.405,163.424 133.833,163.424
no net on Top Solder "Top Layer-No Net" (solid): 131.445,165.075 131.445,165.862 cw(c132.664,165.862) 132.664,167.081 cw(c132.664,165.862) 133.883,165.862 133.883,165.608 ccw(c134.112,165.608) 134.112,165.379 cw(c134.112,165.202) 134.29,165.202 134.29,157.277 cw(c133.223,157.277) 133.223,156.21 131.267,156.21
no net on Bottom Solder "Top Layer-No Net" (solid): 140.945,191.008 cw(c141.503,191.008) 141.503,191.567 141.681,191.567 cw(c141.681,191.008) 142.24,191.008 142.24,190.678 142.24,181.686 cw(c141.63,181.686) 141.63,181.077 141.351,181.077 cw(c141.351,181.458) 140.97,181.458

## Keep-outs
Keep-Out Layer:
  lines w0.254: 126.949,152.843 126.949,181.457 126.949,194.64 cw(c129.946,194.64) 129.946,197.637 140.513,197.637 ; 126.949,152.984 ccw(c128.956,153.086) 129.057,151.079 221.031,151.079 ; 145.593,197.663 171.552,197.663 ; 181.254,197.637 220.193,197.637 cw(c220.193,194.452) 223.378,194.452 223.378,153.492 ; 220.801,224.675 ccw(c219.239,224.675) 219.239,226.238 153.264,226.238 ccw(c153.264,224.739) 151.765,224.739 151.765,200.66 ccw(c153.314,200.66) 153.314,199.111 156.388,199.111 219.27,199.111 ccw(c219.27,200.643) 220.802,200.643 220.802,224.701 ; 220.929,151.079 221.031,151.079 ; 223.378,153.426 cw(c221.031,153.426) 221.031,151.079 ; 126.136,200.076 149.403,200.076 149.403,228.905 126.136,228.905 126.136,200.076

## Other copper
Top Layer:
  rectangle: 172.034,210.985 172.288,211.125
  rectangle: 172.034,210.985 172.043,211.046
  rectangle: 172.034,208.686 172.105,210.985
  region: 138.176,173.126 138.176,181.686 135.103,181.686 135.103,173.126
  rectangle: 131.216,171.806 137.414,174.828
  text "华北理工大学" at 186.538,189.281 h2.03
  text "电磁一队" at 188.57,187.147 h2.03
  text "2016.3.5" at 188.163,185.217 h2.03

## Silkscreen, mask and mechanical layers (free items; w line width, h text height)
Top Overlay:
  text "D9" at 189.814,245.11 h0.64 r90
  text "D4" at 202.514,245.059 h0.64 r90
  text "D3" at 205.029,245.059 h0.64 r90
  text "D8" at 192.303,245.034 h0.64 r90
  text "D7" at 194.97,245.008 h0.64 r90
  text "D6" at 197.383,245.008 h0.64 r90
  text "D5" at 199.949,245.008 h0.64 r90
  text "SS" at 188.036,244.983 h0.64 r90
  text "RX" at 215.265,244.958 h0.64 r90
  text "TX" at 217.703,244.932 h0.64 r90
  text "D2" at 207.569,244.907 h0.64 r90
  text "D11" at 184.709,244.881 h0.64 r90
  text "D10" at 187.096,244.602 h0.64 r90
  text "D12" at 182.169,244.526 h0.64 r90
  text "GND" at 210.083,244.373 h0.64 r90
  text "RES" at 212.7,244.348 h0.64 r90
  text "MOSI" at 185.649,244.069 h0.64 r90
  text "MISO" at 183.109,243.916 h0.64 r90
  text "皓阳 v3.14" at 180.264,241.427 h1.52 r90
  text "RES" at 216.713,239.903 h0.76 r90
  text "gnd" at 214.63,239.649 h0.76 r90
  text "D11" at 214.63,237.49 h0.76 r90
  text "D13" at 216.738,237.363 h0.76 r90
  text "D12" at 216.713,234.721 h0.76 r90
  text "Core-Nano" at 203.048,234.29 h2.54 r90
  text "AtmelMEGA328p-AU" at 201.193,232.588 h0.76 r90
  text "A1" at 192.405,231.013 h0.64 r90
  text "A0" at 189.789,230.937 h0.64 r90
  text "A2" at 195.021,230.886 h0.64 r90
  text "A3" at 197.409,230.861 h0.64 r90
  text "A5" at 202.463,230.784 h0.64 r90
  text "D13" at 182.245,230.759 h0.64 r90
  text "SCL" at 203.479,230.759 h0.64 r90
  text "SCK" at 183.185,230.734 h0.64 r90
  text "A4" at 199.415,230.708 h0.64 r90
  text "SDA" at 200.355,230.683 h0.64 r90
  text "VIN" at 217.932,230.657 h0.64 r90
  text "A6" at 204.978,230.632 h0.64 r90
  text "GND" at 215.341,230.632 h0.64 r90
  text "3.3V" at 184.836,230.607 h0.64 r90
  text "A7" at 207.62,230.607 h0.64 r90
  text "RES" at 212.801,230.607 h0.64 r90
  text "AREF" at 187.528,230.556 h0.64 r90
  text "5V" at 210.261,230.505 h0.64 r90
  text "调" at 135.661,226.756 h2.29 r180
  text "开关" at 144.145,226.72 h2.29 r180
  text "BT&Serial" at 148.057,220.726 h1.02 r270
  text "V" at 146.177,220.574 h0.76 r270
  text "G" at 146.329,218.034 h0.76 r270
  text "R" at 146.228,215.494 h0.76 r270
  text "T" at 146.228,213.182 h0.76 r270
  text "10k" at 138.443,202.717 h0.76 r180
  text "10k" at 142.037,202.717 h0.76 r180
  text "V" at 155.981,195.732 h1.52
  text "S" at 158.658,195.732 h1.52
  text "G" at 161.341,195.732 h1.52
  text "T" at 175.743,195.371 h1.52
  text "R" at 178.367,195.371 h1.52
  text "G" at 180.987,195.377 h1.52
  text "V" at 183.617,195.377 h1.52
  text "5V" at 198.323,195.351 h1.52
  text "GND" at 200.711,195.351 h1.52
  text "NPN" at 189.408,166.7 h0.76
  text "PWM" at 168.199,161.572 h0.76
  text "DIR" at 170.84,161.569 h0.76
  text "电机信号" at 163.652,161.493 h1.27
Bottom Overlay:
  text "2" at 127.152,203.784 h1.02 r180
  text "3" at 131.648,202.819 h1.02 r180
  text "1" at 127.483,201.778 h1.02 r180
Top Solder:
  rectangle: 188.034,185.112 197.258,186.842
  rectangle: 188.469,186.639 196.596,188.84
  rectangle: 186.487,188.722 198.653,191.287
  text "华北理工大学" at 200.279,220.142 h1.52
  text "阿咿呀队" at 203.378,218.973 h1.52
  text "2017.2.28" at 203.378,217.729 h1.78

## Dimensions
124.917,257.48 to 224.917,256.946 on Top Overlay
119.101,250.393 to 118.669,202.616 on Top Overlay
213.741,149.936 to 225,250 on Top Overlay

## Text inside footprints (layer, text, board x,y; h text height)
ICSP: Top Overlay "vcc" at 214.528,234.645 h0.76 r90